# Altium PCB controller_V1.0.PcbDoc (part 3 of 8) (continued)
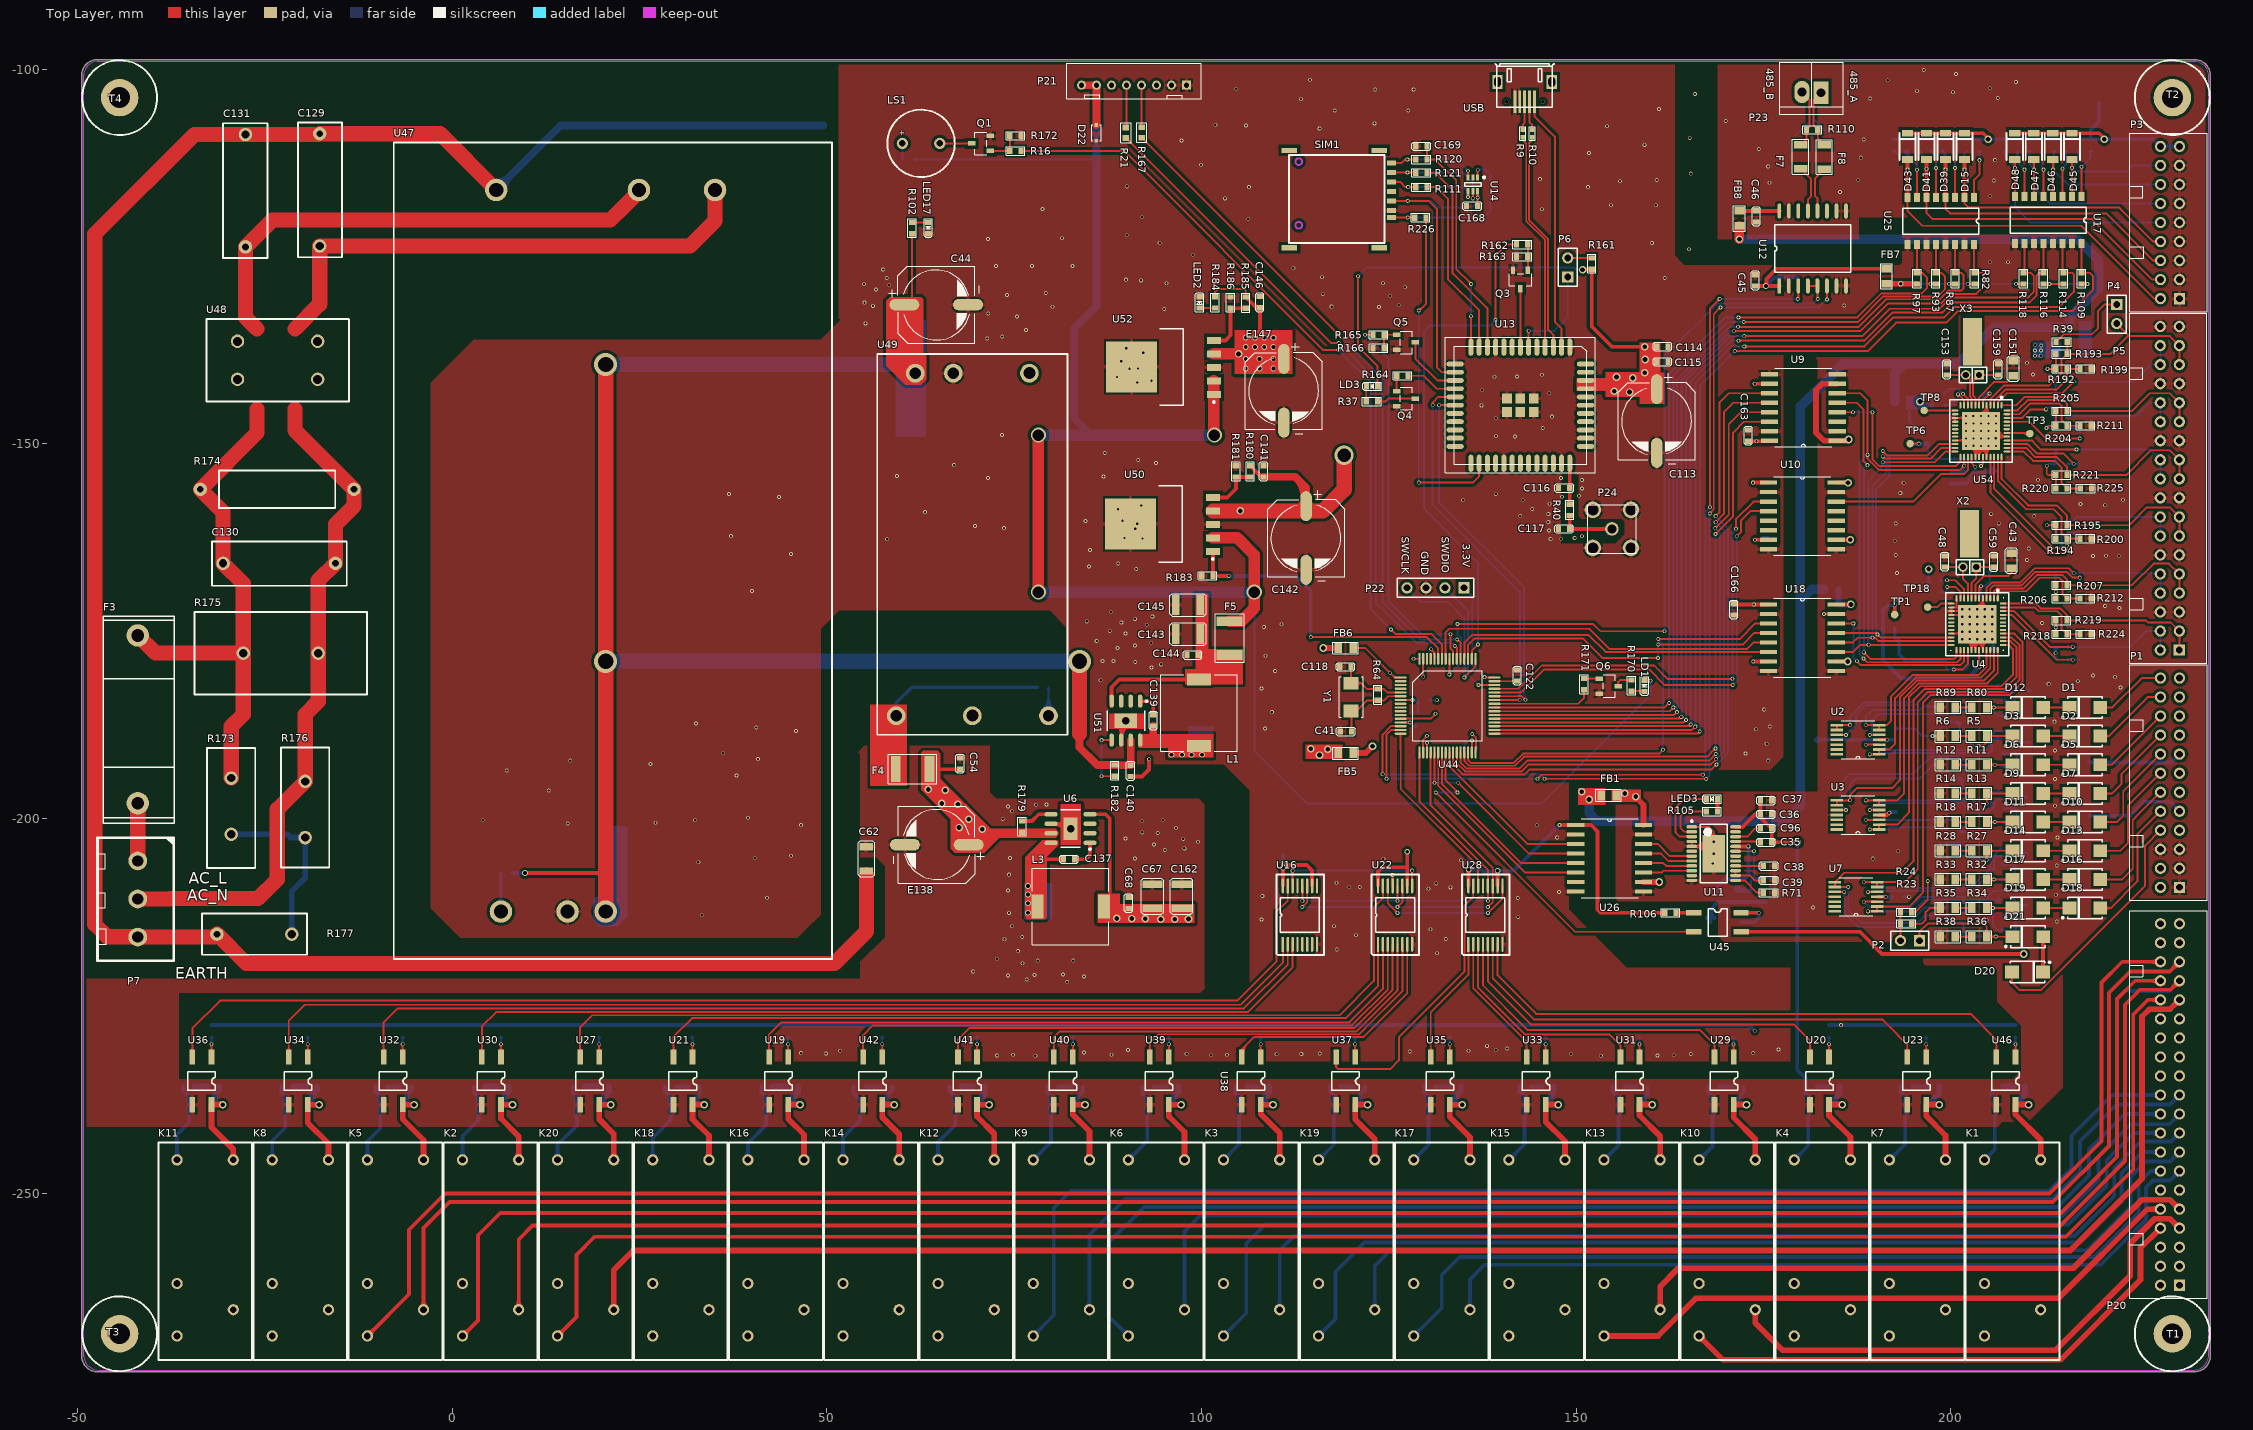
[diagram p0: Top Layer view]
## Nets (pads, with @x,y where several pads share a name; then routed paths per layer and width w, separated by ;. In a path a pad name is that pad's centre, name@x,y a point inside that pad or via, vN(x,y) a via of type N, cw(c..) or ccw(c..) an arc to the next point about the centre after c; other vN are vias at no path point) (continued)
  Top Layer w0.254: U6.9@81.887,-200.711 v7(82.522,-201.346) ; U11.5@165.38,-203.654 ccw(c165.212,-203.487) 165.449,-203.487 ccw(c165.686,-203.487) U11.5@165.518,-203.654 ; U11.4@165.38,-203.143 cw(c165.212,-203.31) 165.449,-203.31 cw(c165.686,-203.31) U11.4@165.518,-203.143 ; U11.4@165.449,-203.074 U11.5@165.449,-203.724 ; U11.1@165.449,-201.124 167.697,-201.124 168.374,-201.8 ; U11.5@165.981,-203.724 ccw(c165.981,-201.767) U11.25@167.503,-202.996 ; U11.5@166,-203.724 cw(c166,-205.727) U11.25@167.523,-204.426 ; U11.5@166.018,-203.793 cw(c166.186,-203.96) 166.186,-203.724 cw(c166.186,-203.487) U11.5@166.018,-203.654 ; U11.1@166.018,-201.193 cw(c166.186,-201.36) 166.186,-201.124 cw(c166.186,-200.887) U11.1@166.018,-201.054 ; 166.512,-203.724 ccw(c166.512,-202.196) U11.25@167.701,-203.155 ; 166.551,-203.724 cw(c166.551,-205.256) U11.25@167.716,-204.261 ; U11.25@167.306,-202.836 cw(c165.449,-201.338) U11.5@165.449,-203.724 ; U11.25@167.33,-204.591 ccw(c165.449,-206.198) U11.5@165.449,-203.724 ; U11.25@167.399,-203.724 U11.5@165.449,-203.724 ; U11.25@167.944,-202.395 ccw(c167.748,-201.8) 168.374,-201.8 ; U11.25@168.024,-202.636 ccw(c167.864,-202.152) 168.374,-202.152 ccw(c168.884,-202.152) U11.25@168.724,-202.636 ; v1(168.374,-204.699) 168.374,-201.8 ; U11.25@168.804,-202.395 cw(c169,-201.8) 168.374,-201.8 ; v1(183.083,-172.695) U18.15@184.732,-172.695 ; v1@183.173,-172.784 cw(c183.39,-173.001) 183.39,-172.695 cw(c183.39,-172.388) v1@183.173,-172.605 ; U18.15@183.748,-172.802 ccw(c183.487,-173.063) 183.487,-172.695 ccw(c183.487,-172.327) U18.15@183.748,-172.587 ; R23.1@194.818,-214.046 196.139,-214.046 196.647,-213.538 196.647,-212.496 197.188,-211.956 R35.1@198.625,-211.956 ; R23.1@194.976,-214.203 cw(c195.356,-214.584) 195.356,-214.046 cw(c195.356,-213.507) R23.1@194.976,-213.888 ; v1(197.588,-189) R6.1@198.625,-189 ; v1@197.678,-189.09 cw(c197.894,-189.307) 197.894,-189 cw(c197.894,-188.694) v1@197.678,-188.91 ; R35.1@198.362,-212.219 ccw(c197.725,-212.856) 197.725,-211.956 ccw(c197.725,-211.055) R35.1@198.362,-211.692 ; R6.1@198.362,-189.264 ccw(c197.725,-189.901) 197.725,-189 ccw(c197.725,-188.1) R6.1@198.362,-188.737 ; U4.21@200.095,-175.316 202.295,-175.316 cw(c202.295,-174.613) U4.49@201.693,-174.977 ; 200.524,-175.316 ccw(c200.524,-174.045) U4.49@201.423,-174.944 ; 200.524,-172.816 cw(c200.524,-174.087) U4.49@201.423,-173.189 ; 200.524,-172.316 ccw(c200.524,-171.045) U4.49@201.423,-171.944 ; 200.524,-171.816 cw(c200.524,-173.087) U4.49@201.423,-172.189 ; U54.21@200.603,-149.535 202.803,-149.535 cw(c202.803,-148.832) U54.49@202.201,-149.196 ; U54.16@200.603,-147.035 U54.15@200.603,-146.535 U54.49@202.303,-146.535 ; 200.713,-175.316 cw(c200.713,-176.898) U4.49@201.832,-175.78 ; 200.713,-172.816 ccw(c200.713,-171.234) U4.49@201.832,-172.353 ; 200.795,-171.748 U4.12@200.795,-170.616 ; 201.032,-149.535 ccw(c201.032,-148.264) U54.49@201.931,-149.163 ; 201.032,-146.535 ccw(c201.032,-145.264) U54.49@201.931,-146.163 ; U4.49@201.137,-175.316 ccw(c201.137,-174.658) U4.49@201.602,-175.123 ; U4.49@201.137,-172.816 cw(c201.137,-173.474) U4.49@201.602,-173.009 ; U4.49@201.137,-172.316 ccw(c201.137,-171.658) U4.49@201.602,-172.123 ; U4.49@201.137,-171.816 cw(c201.137,-172.474) U4.49@201.602,-172.009 ; 201.221,-149.535 cw(c201.221,-151.117) U54.49@202.34,-149.999 ; U4.49@201.258,-175.239 ccw(c201.394,-175.157) U4.49@201.394,-175.316 ; U4.49@201.258,-172.893 cw(c201.394,-172.975) U4.49@201.394,-172.816 ; U4.49@201.295,-171.816 U4.14@200.095,-171.816 U4.15@200.095,-172.316 ; U4.49@201.476,-175.108 ccw(c201.845,-174.885) U4.49@201.845,-175.316 ; U4.49@201.476,-173.024 cw(c201.845,-173.247) U4.49@201.845,-172.816 ; U4.49@201.524,-175.316 ccw(c201.524,-174.045) U4.49@202.423,-174.944 ; U4.49@201.524,-172.816 cw(c201.524,-174.087) U4.49@202.423,-173.189 ; U54.49@201.645,-149.535 ccw(c201.645,-148.877) U54.49@202.11,-149.342 ; U54.49@201.645,-146.535 ccw(c201.645,-145.877) U54.49@202.11,-146.342 ; U4.49@201.693,-173.156 cw(c202.295,-173.52) 202.295,-172.816 U4.16@200.095,-172.816 U4.15@200.095,-172.316 ; U4.49@201.75,-175.316 ccw(c201.75,-175.271) U4.49@201.782,-175.303 ; U4.49@201.75,-172.816 cw(c201.75,-172.861) U4.49@201.782,-172.829 ; U4.49@201.75,-172.316 ccw(c201.75,-172.271) U4.49@201.782,-172.303 ; U54.49@201.766,-149.458 ccw(c201.902,-149.376) U54.49@201.902,-149.535 ; U4.49@201.795,-172.316 U4.15@200.095,-172.316 ; U54.49@201.984,-149.327 ccw(c202.353,-149.104) U54.49@202.353,-149.535 ; U4.49@202.011,-175.942 cw(c200.657,-177.597) 202.795,-177.597 cw(c203.923,-177.597) U4.49@203.803,-176.475 ; U54.49@202.032,-149.535 ccw(c202.032,-148.264) U54.49@202.931,-149.163 ; U4.49@202.137,-175.316 ccw(c202.137,-174.658) U4.49@202.602,-175.123 ; U4.49@202.137,-172.816 cw(c202.137,-173.474) U4.49@202.602,-173.009 ; U4.49@202.172,-175.745 cw(c201.095,-177.061) 202.795,-177.061 ; U54.49@202.258,-149.535 ccw(c202.258,-149.49) U54.49@202.29,-149.522 ; U54.49@202.258,-146.535 ccw(c202.258,-146.49) U54.49@202.29,-146.522 ; U4.49@202.332,-175.548 cw(c201.534,-176.525) U4.49@202.795,-176.525 ; U4.49@202.423,-176.159 cw(c201.524,-177.057) 202.795,-177.057 ; U4.49@202.423,-175.914 ccw(c201.524,-175.015) U4.49@202.795,-175.015 ; U4.49@202.423,-175.189 cw(c201.524,-176.087) U4.49@202.795,-176.087 ; U4.49@202.493,-176.249 cw(c201.879,-177.525) 203.295,-177.525 cw(c204.447,-177.525) U4.49@204.156,-176.411 ; U54.49@202.519,-150.161 cw(c201.165,-151.816) 203.303,-151.816 cw(c204.431,-151.816) U54.49@204.311,-150.694 ; U4.49@202.545,-174.893 ccw(c202.545,-174.476) 202.84,-174.771 ccw(c203.136,-175.066) U4.49@202.718,-175.066 ; U4.49@202.602,-176.093 ccw(c202.137,-175.628) U4.49@202.795,-175.628 ; U4.49@202.602,-175.979 cw(c202.137,-176.444) U4.49@202.795,-176.444 ; U4.49@202.602,-175.009 cw(c202.137,-175.474) U4.49@202.795,-175.474 ; U4.49@202.604,-176.02 cw(c202.073,-177.121) U4.30@203.295,-177.121 ; U54.49@202.645,-149.535 ccw(c202.645,-148.877) U54.49@203.11,-149.342 ; U54.49@202.68,-149.964 cw(c201.603,-151.28) 203.303,-151.28 ; U4.49@202.714,-175.791 cw(c202.268,-176.716) 203.295,-176.716 ; U4.49@202.782,-176.273 ccw(c202.75,-176.241) U4.49@202.795,-176.241 ; U4.49@202.782,-175.799 cw(c202.75,-175.831) U4.49@202.795,-175.831 ; U4.49@202.782,-174.829 cw(c202.75,-174.861) U4.49@202.795,-174.861 ; U4.29@202.795,-177.516 202.795,-174.816 v3(203.545,-174.066) ; U4.29@202.795,-177.314 cw(c203.892,-177.314) U4.49@203.776,-176.223 ; 202.795,-177.031 cw(c203.862,-177.031) U4.49@203.749,-175.97 ; 202.795,-176.749 cw(c203.832,-176.749) U4.49@203.722,-175.718 ; U54.49@202.84,-149.767 cw(c202.042,-150.744) U54.49@203.303,-150.744 ; U54.49@202.931,-150.378 cw(c202.032,-151.276) 203.303,-151.276 ; U54.49@202.931,-150.133 ccw(c202.032,-149.234) U54.49@203.303,-149.234 ; U54.49@202.931,-149.408 cw(c202.032,-150.306) U54.49@203.303,-150.306 ; U54.49@203.001,-150.468 cw(c202.387,-151.744) 203.803,-151.744 cw(c204.955,-151.744) U54.49@204.664,-150.63 ; U54.49@203.11,-150.312 ccw(c202.645,-149.847) U54.49@203.303,-149.847 ; U54.49@203.11,-150.198 cw(c202.645,-150.663) U54.49@203.303,-150.663 ; U54.49@203.11,-149.228 cw(c202.645,-149.693) U54.49@203.303,-149.693 ; U54.49@203.112,-150.239 cw(c202.581,-151.34) U54.30@203.803,-151.34 ; U54.49@203.222,-150.01 cw(c202.776,-150.935) 203.803,-150.935 ; U4.49@203.287,-176.475 cw(c203.167,-177.597) 204.295,-177.597 cw(c206.433,-177.597) U4.49@205.079,-175.942 ; U54.49@203.29,-150.492 ccw(c203.258,-150.46) U54.49@203.303,-150.46 ; U54.49@203.29,-150.018 cw(c203.258,-150.05) U54.49@203.303,-150.05 ; U54.49@203.29,-149.048 cw(c203.258,-149.08) U54.49@203.303,-149.08 ; U4.30@203.295,-177.516 203.295,-174.316 ccw(c203.998,-174.316) U4.49@203.634,-174.918 ; U4.30@203.295,-177.196 cw(c204.361,-177.196) U4.49@204.092,-176.165 ; 203.295,-177.087 cw(c204.566,-177.087) U4.49@203.667,-176.189 ; 203.295,-176.868 cw(c204.275,-176.868) U4.49@204.028,-175.919 ; U4.49@203.295,-176.474 cw(c203.953,-176.474) U4.49@203.488,-176.009 ; U4.49@203.295,-176.271 ccw(c203.34,-176.271) U4.49@203.308,-176.303 ; U4.49@203.295,-176.087 cw(c204.566,-176.087) U4.49@203.667,-175.189 ; U4.49@203.295,-175.861 cw(c203.34,-175.861) U4.49@203.308,-175.829 ; U4.49@203.295,-175.658 ccw(c203.953,-175.658) U4.49@203.488,-176.123 ; U4.49@203.295,-175.474 cw(c203.953,-175.474) U4.49@203.488,-175.009 ; U4.49@203.295,-175.217 ccw(c203.454,-175.217) U4.49@203.372,-175.353 ; U4.49@203.295,-175.087 cw(c204.566,-175.087) U4.49@203.667,-174.189 ; U4.49@203.295,-175.045 ccw(c204.566,-175.045) U4.49@203.667,-175.944 ; U4.49@203.295,-174.861 cw(c203.34,-174.861) U4.49@203.308,-174.829 ; U4.49@203.295,-174.767 ccw(c203.726,-174.767) U4.49@203.503,-175.136 ; U4.49@203.295,-174.474 cw(c203.953,-174.474) U4.49@203.488,-174.009 ; U54.29@203.303,-151.735 U54.49@203.303,-149.035 ; U54.29@203.303,-151.533 cw(c204.4,-151.533) U54.49@204.284,-150.442 ; 203.303,-151.25 cw(c204.37,-151.25) U54.49@204.257,-150.189 ; 203.303,-150.968 cw(c204.34,-150.968) U54.49@204.23,-149.937 ; U4.49@203.314,-176.223 cw(c203.198,-177.314) U4.32@204.295,-177.314 ; U4.49@203.341,-175.97 cw(c203.228,-177.031) 204.295,-177.031 ; U4.49@203.343,-171.652 ccw(c203.256,-170.616) U4.5@204.295,-170.616 ccw(c206.265,-170.616) U4.49@205.045,-172.164 ; U4.49@203.364,-171.905 ccw(c203.279,-170.892) U4.5@204.295,-170.892 ; U4.49@203.368,-175.718 cw(c203.258,-176.749) 204.295,-176.749 ; U4.49@203.372,-174.066 cw(c202.954,-174.066) 203.25,-174.362 cw(c203.545,-174.657) U4.49@203.545,-174.239 ; U4.49@203.385,-172.158 ccw(c203.302,-171.169) 204.295,-171.169 ; U4.49@203.406,-172.411 ccw(c203.325,-171.445) 204.295,-171.445 ; U54.49@203.795,-150.694 cw(c203.675,-151.816) 204.803,-151.816 cw(c206.941,-151.816) U54.49@205.587,-150.161 ; U54.30@203.803,-151.735 203.803,-148.535 ccw(c204.506,-148.535) U54.49@204.142,-149.137 ; U54.30@203.803,-151.415 cw(c204.869,-151.415) U54.49@204.6,-150.384 ; 203.803,-151.306 cw(c205.074,-151.306) U54.49@204.175,-150.408 ; 203.803,-151.087 cw(c204.783,-151.087) U54.49@204.536,-150.138 ; U54.49@203.803,-150.693 cw(c204.461,-150.693) U54.49@203.996,-150.228 ; U54.49@203.803,-150.49 ccw(c203.848,-150.49) U54.49@203.816,-150.522 ; U54.49@203.803,-150.306 cw(c205.074,-150.306) U54.49@204.175,-149.408 ; U54.49@203.803,-150.08 cw(c203.848,-150.08) U54.49@203.816,-150.048 ; U54.49@203.803,-149.877 ccw(c204.461,-149.877) U54.49@203.996,-150.342 ; U54.49@203.803,-149.693 cw(c204.461,-149.693) U54.49@203.996,-149.228 ; U54.49@203.803,-149.436 ccw(c203.962,-149.436) U54.49@203.88,-149.572 ; U54.49@203.803,-149.306 cw(c205.074,-149.306) U54.49@204.175,-148.408 ; U54.49@203.803,-149.264 ccw(c205.074,-149.264) U54.49@204.175,-150.163 ; U54.49@203.803,-149.08 cw(c203.848,-149.08) U54.49@203.816,-149.048 ; U54.49@203.803,-148.986 ccw(c204.234,-148.986) U54.49@204.011,-149.355 ; U54.49@203.803,-148.693 cw(c204.461,-148.693) U54.49@203.996,-148.228 ; U54.49@203.822,-150.442 cw(c203.706,-151.533) U54.32@204.803,-151.533 ; U54.49@203.849,-150.189 cw(c203.736,-151.25) 204.803,-151.25 ; U54.49@203.851,-145.871 ccw(c203.764,-144.835) U54.5@204.803,-144.835 ccw(c206.773,-144.835) U54.49@205.553,-146.383 ; U54.49@203.872,-146.124 ccw(c203.787,-145.111) U54.5@204.803,-145.111 ; U54.49@203.876,-149.937 cw(c203.766,-150.968) 204.803,-150.968 ; U54.49@203.893,-146.377 ccw(c203.81,-145.388) 204.803,-145.388 ; U54.49@203.914,-146.63 ccw(c203.833,-145.664) 204.803,-145.664 ; v3(204.053,-148.285) 204.803,-147.535 U54.5@204.803,-144.835 ; U54.49@204.053,-148.112 ccw(c204.053,-147.695) 204.348,-147.99 ccw(c204.644,-148.285) U54.49@204.226,-148.285 ; U4.32@204.295,-177.516 U4.49@204.295,-174.816 ; 204.295,-177.087 cw(c205.566,-177.087) U4.49@204.667,-176.189 ; 204.295,-177.061 cw(c205.995,-177.061) U4.49@204.918,-175.745 ; U4.49@204.295,-176.525 cw(c205.556,-176.525) U4.49@204.758,-175.548 ; U4.49@204.295,-176.474 cw(c204.953,-176.474) U4.49@204.488,-176.009 ; U4.49@204.295,-176.271 ccw(c204.34,-176.271) U4.49@204.308,-176.303 ; U4.49@204.295,-176.087 cw(c205.566,-176.087) U4.49@204.667,-175.189 ; U4.49@204.295,-175.861 cw(c204.34,-175.861) U4.49@204.308,-175.829 ; U4.49@204.295,-175.658 ccw(c204.953,-175.658) U4.49@204.488,-176.123 ; U4.49@204.295,-175.474 cw(c204.953,-175.474) U4.49@204.488,-175.009 ; U4.49@204.295,-175.045 ccw(c205.566,-175.045) U4.49@204.667,-175.944 ; U4.49@204.295,-174.861 cw(c204.34,-174.861) U4.49@204.308,-174.829 ; U4.49@204.295,-173.316 U4.5@204.295,-170.616 ; U4.49@204.295,-173.271 ccw(c204.34,-173.271) U4.49@204.308,-173.303 ; U4.49@204.295,-173.087 cw(c205.566,-173.087) U4.49@204.667,-172.189 ; U4.49@204.295,-172.658 ccw(c204.953,-172.658) U4.49@204.488,-173.123 ; U4.49@204.295,-172.474 cw(c204.953,-172.474) U4.49@204.488,-172.009 ; U4.49@204.295,-172.271 ccw(c204.34,-172.271) U4.49@204.308,-172.303 ; U4.49@204.295,-172.045 ccw(c205.566,-172.045) U4.49@204.667,-172.944 ; U4.49@204.295,-171.861 cw(c204.34,-171.861) U4.49@204.308,-171.829 ; U4.49@204.295,-171.658 ccw(c204.953,-171.658) U4.49@204.488,-172.123 ; 204.295,-171.14 ccw(c205.852,-171.14) U4.49@204.888,-172.363 ; 204.295,-171.045 ccw(c205.566,-171.045) U4.49@204.667,-171.944 ; U54.32@204.803,-151.735 204.803,-149.285 ccw(c206.023,-149.285) U54.49@205.173,-150.161 ; 204.803,-151.306 cw(c206.074,-151.306) U54.49@205.175,-150.408 ; 204.803,-151.28 cw(c206.503,-151.28) U54.49@205.426,-149.964 ; U54.49@204.803,-150.744 cw(c206.064,-150.744) U54.49@205.266,-149.767 ; U54.49@204.803,-150.693 cw(c205.461,-150.693) U54.49@204.996,-150.228 ; U54.49@204.803,-150.486 ccw(c204.858,-150.486) U54.49@204.82,-150.526 ; U54.49@204.803,-150.306 cw(c206.074,-150.306) 205.175,-149.408 cw(c206.074,-150.306) U54.49@206.074,-149.035 ; U54.49@204.803,-150.08 cw(c204.848,-150.08) U54.49@204.816,-150.048 ; U54.49@204.803,-149.886 ccw(c205.441,-149.886) U54.49@204.997,-150.343 ; U54.49@204.803,-149.693 cw(c205.461,-149.693) 204.996,-149.228 cw(c205.461,-149.693) U54.49@205.461,-149.035 ; U54.49@204.803,-149.035 U54.41@207.503,-149.035 ; U54.49@204.803,-147.49 ccw(c204.848,-147.49) U54.49@204.816,-147.522 ; U54.49@204.803,-147.306 cw(c206.074,-147.306) U54.49@205.175,-146.408 ; U54.49@204.803,-146.877 ccw(c205.461,-146.877) U54.49@204.996,-147.342 ; U54.49@204.803,-146.693 cw(c205.461,-146.693) U54.49@204.996,-146.228 ; U54.49@204.803,-146.49 ccw(c204.848,-146.49) U54.49@204.816,-146.522 ; U54.49@204.803,-146.264 ccw(c206.074,-146.264) U54.49@205.175,-147.163 ; U54.49@204.803,-146.08 cw(c204.848,-146.08) U54.49@204.816,-146.048 ; U54.49@204.803,-145.877 ccw(c205.461,-145.877) U54.49@204.996,-146.342 ; 204.803,-145.359 ccw(c206.36,-145.359) U54.49@205.396,-146.582 ; 204.803,-145.264 ccw(c206.074,-145.264) U54.49@205.175,-146.163 ; U54.49@204.816,-149.048 cw(c204.848,-149.08) U54.49@204.848,-149.035 ; U54.49@204.88,-147.285 cw(c204.462,-147.285) 204.758,-147.581 cw(c205.053,-147.876) U54.49@205.053,-147.458 ; U54.49@205.074,-149.035 cw(c205.074,-150.204) U54.49@205.901,-149.378 ; U54.49@205.687,-149.035 cw(c205.687,-149.591) U54.49@206.08,-149.198 ; U54.49@205.708,-148.147 ccw(c206.674,-148.066) 206.674,-149.035 ; U54.49@205.756,-149.628 cw(c206.979,-150.593) 206.979,-149.035 ; U54.49@205.956,-149.786 cw(c207.503,-151.006) U54.41@207.503,-149.035 ; U54.49@205.961,-148.125 ccw(c206.951,-148.042) 206.951,-149.035 ; U54.49@205.966,-149.198 cw(c206.359,-149.591) U54.49@206.359,-149.035 ; U54.49@206.145,-149.378 cw(c206.972,-150.204) 206.972,-149.035 ; U54.49@206.214,-148.104 ccw(c207.227,-148.019) U54.41@207.227,-149.035 ; U54.49@206.468,-148.083 ccw(c207.503,-147.996) U54.41@207.503,-149.035
  Top Layer w0.508: U6.6@80.637,-200.711 cw(c80.637,-202.681) U6.9@82.03,-201.288 ; 81.047,-200.711 ccw(c81.047,-199.321) U6.9@82.03,-200.304 ; 81.09,-200.711 cw(c81.09,-202.68) U6.9@82.531,-201.338 ; U6.9@81.887,-200.711 U6.6@79.922,-200.711 cw(c79.922,-203.769) U6.9@82.159,-201.684
  Bottom Layer w0.254: C49.1@192.507,-187.985 195.224,-187.985 196.239,-189 v1(197.588,-189) ; C49.1@192.739,-188.143 cw(c193.12,-188.524) 193.12,-187.985 cw(c193.12,-187.447) C49.1@192.739,-187.828 ; C58.1@193.599,-210.464 v1(194.462,-210.464) ; C58.1@193.756,-210.622 cw(c194.137,-211.003) 194.137,-210.464 cw(c194.137,-209.926) C58.1@193.756,-210.307 ; v1@194.373,-210.554 ccw(c194.156,-210.771) 194.156,-210.464 ccw(c194.156,-210.158) v1@194.373,-210.375 ; v1@197.498,-189.09 ccw(c197.281,-189.307) 197.281,-189 ccw(c197.281,-188.694) v1@197.498,-188.91 ; C34.1@203.479,-213.97 204.495,-213.97 v1@204.902,-213.563 ; C34.1@203.712,-214.127 cw(c204.093,-214.508) 204.093,-213.97 cw(c204.093,-213.431) C34.1@203.712,-213.812 ; 204.546,-213.919 ccw(c204.191,-213.563) v1@204.694,-213.563 ; E14.2@205.255,-177.427 ccw(c204.171,-176.343) 205.704,-176.343 ccw(c207.237,-176.343) E14.2@206.153,-177.427 ; v3@205.423,-176.189 cw(c204.743,-176.868) 205.704,-176.868 ; E14.2@205.435,-177.607 ccw(c204.784,-176.956) 205.704,-176.956 ccw(c206.624,-176.956) E14.2@205.973,-177.607 ; v3(205.545,-176.066) 205.704,-176.225 E14.2@205.704,-178.384
  other v1: 82.093,-221.844 76.683,-221.488 84.328,-221.082 74.168,-220.955 77.699,-220.878 81.509,-220.828 69.52,-220.421 76.098,-219.329 78.156,-218.973 82.88,-218.973 72.669,-218.719 75.489,-217.703 73.711,-216.129 76.073,-215.824 74.727,-214.376 214.173,-213.741 204.821,-213.563 74.32,-212.598 181.635,-211.887 214.046,-210.185 74.168,-209.601 74.295,-207.493 214.173,-206.273 168.25,-205.994 189.611,-205.359 91.135,-205.334 74.447,-205.283 193.015,-204.368 95.098,-204.216 97.714,-203.987 93.65,-203.479 99.543,-203.098 168.374,-203.098 97.561,-202.717 89.865,-202.667 214.274,-202.54 94.158,-201.93 92.1,-201.854 96.596,-201.244 92.1,-200.381 94.818,-200.228 73.482,-200.05 74.727,-199.034 74.168,-198.399 213.944,-198.298 77.927,-198.171 79.324,-198.145 213.944,-194.716 213.944,-190.932 213.868,-187.071 222.682,-182.524 213.081,-182.067 216.992,-181.686 221.945,-181.077 218.999,-180.924 212.217,-173.914 222.555,-171.907 220.624,-171.628 192.837,-167.234 210.21,-165.481 218.999,-164.973 220.726,-164.922 222.453,-164.922 192.684,-164.821 210.439,-163.957 192.532,-162.916 192.684,-160.63 206.426,-160.604 211.176,-159.639 205.41,-159.334 220.624,-158.191 217.348,-158.013 223.012,-157.455 193.294,-156.566 193.726,-155.194 211.658,-154.788 210.998,-140.741 210.185,-139.167 205.283,-116.942 185.242,-116.383 175.819,-115.138 205.765,-114.833 187.681,-114.808 175.641,-112.979 205.943,-112.116 188.011,-111.785 174.396,-110.642 188.392,-109.372 169.977,-106.909 189.281,-103.886 206.299,-103.835 200.304,-103.048 195.504,-102.921 205.232,-102.514 208.712,-101.702 191.618,-101.448 200.711,-100.635 196.418,-100.101
  other v3: 201.545,-176.066 203.545,-176.066 204.545,-176.066 202.545,-176.036 201.545,-175.066 202.545,-175.066 203.545,-175.066 204.545,-175.066 205.515,-175.036 201.545,-174.066 202.545,-174.066 204.545,-174.066 205.545,-174.066 201.545,-173.066 202.545,-173.066 203.545,-173.066 204.545,-173.066 205.545,-173.066 201.545,-172.066 202.515,-172.066 203.545,-172.066 204.545,-172.066 205.545,-172.066 202.053,-150.285 204.053,-150.285 205.053,-150.285 206.053,-150.285 203.053,-150.255 202.053,-149.285 203.053,-149.285 204.053,-149.285 205.053,-149.285 206.023,-149.255 202.053,-148.285 203.053,-148.285 205.053,-148.285 206.053,-148.285 202.053,-147.285 203.053,-147.285 204.053,-147.285 205.053,-147.285 206.053,-147.285 202.053,-146.285 203.023,-146.285 204.053,-146.285 205.053,-146.285 206.053,-146.285
AI0: D1.1 P1.24 | length 9.7
  Top Layer w0.254: D1.1@219.979,-185.174 221.607,-185.174 225.527,-181.254 P1.24@228.006,-181.254
AI1: D2.1 P1.22 | length 11.1
  Top Layer w0.254: D2.1@219.979,-189 221.083,-189 ; D2.1@220.735,-189.245 cw(c221.083,-189.37) 221.083,-189 ; D2.1@220.735,-188.756 ccw(c221.083,-188.631) 221.083,-189 ; P1.22@228.006,-183.794 226.289,-183.794 221.083,-189
AI2: D5.1 P1.20 | length 10.7
  Top Layer w0.254: D5.1@219.979,-192.826 221.515,-192.826 P1.20@228.006,-186.334
AI3: D7.1 P1.18 | length 12
  Top Layer w0.254: D7.1@219.979,-196.652 221.559,-196.652 222.783,-195.428 222.783,-194.097 P1.18@228.006,-188.874
AI4: D10.1 P1.16 | length 13.7
  Top Layer w0.254: D10.1@219.979,-200.478 222.178,-200.478 223.037,-199.619 223.037,-196.383 P1.16@228.006,-191.414
AI5: D13.1 P1.14 | length 15.3
  Top Layer w0.254: D13.1@219.979,-204.304 222.67,-204.304 223.672,-203.302 223.672,-198.288 P1.14@228.006,-193.954
AI6: D16.1 P1.12 | length 16.7
  Top Layer w0.254: D16.1@219.979,-208.13 222.908,-208.13 224.307,-206.731 224.307,-200.193 224.688,-199.812 224.849,-199.652 P1.12@228.006,-196.494
AI7: D18.1 P1.10 | length 19.8
  Top Layer w0.254: D18.1@219.979,-211.956 221.368,-211.956 ; D18.1@220.451,-212.207 cw(c220.907,-212.496) 220.907,-211.956 cw(c220.907,-211.415) D18.1@220.451,-211.705 ; D18.1@220.665,-212.343 cw(c221.368,-212.788) 221.368,-211.956 ; D18.1@220.665,-211.569 ccw(c221.368,-211.123) 221.368,-211.956 ; P1.10@228.006,-199.034 224.942,-202.098 224.942,-208.382 221.368,-211.956
AI8: D20.1 P1.8 | length 33.6
  Top Layer w0.254: D20.1@208.211,-220.497 208.211,-221.902 209.22,-222.91 212.032,-222.91 225.958,-208.984 225.958,-203.622 P1.8@228.006,-201.574
AO_0: P1.4 U45.3 | length 63.8
  Top Layer w0.508: U45.3@172.057,-215.113 187.884,-215.113 190.856,-218.084 v2(209.753,-218.084) ; v2@209.574,-218.264 ccw(c209.14,-218.698) 209.14,-218.084 ccw(c209.14,-217.471) v2@209.574,-217.905
  GND w0.508: v2(209.753,-218.084) 215.214,-218.084 226.644,-206.654 P1.4@228.006,-206.654 ; v2@209.933,-218.264 cw(c210.366,-218.698) 210.366,-218.084 cw(c210.366,-217.471) v2@209.933,-217.905
AO_BOOST: Q11.3 U11.20 | length 11.3
  Top Layer w0.508: U11.20@171.299,-203.724 v1(172.999,-203.724)
  Bottom Layer w0.508: Q11.3@168.922,-210.144 168.922,-209.03 169.824,-208.128 172.364,-208.128 172.999,-207.493 v1(172.999,-203.724)
AO_IOUT: C40.2 Q11.1 R72.1 U11.19 | length 20.9
  Top Layer w0.254: U11.19@171.299,-204.374 v1(173.756,-204.374) ; U11.19@171.868,-204.443 cw(c172.036,-204.61) 172.036,-204.374 cw(c172.036,-204.137) U11.19@171.868,-204.304 ; v1@173.666,-204.463 ccw(c173.45,-204.68) 173.45,-204.374 ccw(c173.45,-204.067) v1@173.666,-204.284
  Bottom Layer w0.254: R72.1@173.169,-209.518 ccw(c172.789,-209.137) 173.327,-209.137 ccw(c173.865,-209.137) R72.1@173.485,-209.518 ; R72.1@173.327,-209.676 173.327,-208.359 173.756,-207.93 ; v1@173.666,-204.463 cw(c173.45,-204.68) 173.756,-204.68 cw(c174.063,-204.68) v1@173.846,-204.463 ; v1(173.756,-204.374) 173.756,-207.93 ; C40.2@177.36,-209.621 ccw(c176.98,-209.24) 177.518,-209.24 ccw(c178.056,-209.24) C40.2@177.676,-209.621 ; C40.2@177.518,-209.779 177.518,-208.506 176.942,-207.93 173.756,-207.93
  Bottom Layer w0.508: 171.295,-209.47 ccw(c171.791,-208.975) 171.791,-209.676 ; Q11.1@171.422,-209.144 171.954,-209.676 R72.1@173.327,-209.676 ; Q11.1@171.655,-209.111 ccw(c173.017,-207.748) R72.1@173.017,-209.676 ; Q11.1@171.668,-209.144 ccw(c172.262,-209.144) 171.842,-209.564
DI_0: C108.2 D15.1 P3.8 U25.2 | length 39.9
  Top Layer w0.254: U25.2@201.677,-117.504 cw(c201.367,-117.876) 201.851,-117.876 ; U25.2@201.851,-117.094 201.851,-117.876 ; U25.2@202.026,-117.504 ccw(c202.335,-117.876) 201.851,-117.876 ; P3.8@227.448,-123.243 ccw(c227.051,-123.423) 227.051,-122.987 ; P3.8@227.448,-122.73 cw(c227.051,-122.551) 227.051,-122.987 ; P3.8@228.016,-122.987 227.051,-122.987 ; 201.851,-117.876 202.441,-118.466 222.529,-118.466 227.051,-122.987
  Top Layer w0.508: D15.1@201.715,-112.175 cw(c201.381,-112.51) 201.854,-112.51 cw(c202.327,-112.51) D15.1@201.992,-112.175 ; U25.2@201.854,-117.091 D15.1@201.854,-112.037
  Bottom Layer w0.254: v1@201.764,-113.296 ccw(c201.547,-113.079) 201.854,-113.079 ccw(c202.16,-113.079) v1@201.944,-113.296 ; v1(201.854,-113.386) 201.854,-111.166 C108.2@202.199,-110.822
DI_1: C56.2 D39.1 P3.6 U25.4 | length 46.2
  Top Layer w0.254: U25.4@199.118,-117.487 cw(c198.652,-117.953) 199.311,-117.953 cw(c199.97,-117.953) U25.4@199.504,-117.487 ; U25.4@199.311,-117.094 199.311,-118.615 199.923,-119.228 220.751,-119.228 227.051,-125.527 ; P3.6@227.448,-125.783 ccw(c227.051,-125.963) 227.051,-125.527 ; P3.6@227.448,-125.27 cw(c227.051,-125.091) 227.051,-125.527 ; P3.6@228.016,-125.527 227.051,-125.527
  Top Layer w0.508: D39.1@199.175,-112.175 cw(c198.841,-112.51) 199.314,-112.51 cw(c199.787,-112.51) D39.1@199.452,-112.175 ; U25.4@199.314,-117.091 D39.1@199.314,-112.037
  Bottom Layer w0.254: C56.2@198.843,-110.979 cw(c197.706,-112.116) 199.314,-112.116 ; C56.2@198.926,-110.822 199.314,-111.21 v1(199.314,-113.386) ; C56.2@199.022,-110.8 cw(c198.319,-111.503) 199.314,-111.503 ; v1@199.224,-113.296 ccw(c199.007,-113.079) 199.314,-113.079 ccw(c199.62,-113.079) v1@199.404,-113.296
DI_2: C63.2 D41.1 P3.4 U25.6 | length 47.8
  Top Layer w0.254: U25.6@196.578,-117.487 cw(c196.112,-117.953) 196.771,-117.953 cw(c197.43,-117.953) U25.6@196.964,-117.487 ; U25.6@196.771,-117.094 196.771,-119.123 197.637,-119.99 218.846,-119.99 226.924,-128.067 P3.4@228.016,-128.067
  Top Layer w0.508: D41.1@196.635,-112.175 cw(c196.301,-112.51) 196.774,-112.51 cw(c197.247,-112.51) D41.1@196.912,-112.175 ; U25.6@196.774,-117.091 D41.1@196.774,-112.037
  Bottom Layer w0.254: C63.2@195.653,-110.822 195.653,-110.864 196.774,-111.985 v1(196.774,-113.259) ; C63.2@195.951,-110.822 ccw(c196.772,-110.822) 196.191,-111.403 ; v1@196.684,-113.169 ccw(c196.467,-112.952) 196.774,-112.952 ccw(c197.08,-112.952) v1@196.864,-113.169
DI_3: C65.2 D43.1 P3.2 U25.8 | length 51.9
  Top Layer w0.254: U25.8@194.038,-117.487 cw(c193.572,-117.953) 194.231,-117.953 cw(c194.89,-117.953) U25.8@194.424,-117.487 ; U25.8@194.231,-117.094 194.231,-118.869 196.24,-120.879 217.449,-120.879 227.178,-130.607 P3.2@228.016,-130.607
  Top Layer w0.508: D43.1@194.095,-112.175 cw(c193.761,-112.51) 194.234,-112.51 cw(c194.707,-112.51) D43.1@194.372,-112.175 ; U25.8@194.234,-117.091 D43.1@194.234,-112.037
  Bottom Layer w0.254: C65.2@192.38,-110.822 194.234,-112.676 v1(194.234,-113.386) ; C65.2@192.455,-111.045 cw(c192.455,-111.402) C65.2@192.707,-111.149 ; C65.2@192.678,-110.822 ccw(c193.397,-110.822) 192.888,-111.33 ; v1@194.144,-113.296 ccw(c193.927,-113.079) 194.234,-113.079 ccw(c194.54,-113.079) v1@194.324,-113.296
DI_4: C76.2 D45.1 P3.16 U17.2 | length 29.7
  Top Layer w0.254: D45.1@215.957,-112.265 cw(c215.366,-112.857) 216.202,-112.857 ; U17.2@216.009,-116.574 ccw(c215.543,-116.108) 216.202,-116.108 ccw(c216.861,-116.108) U17.2@216.395,-116.574 ; v1@216.112,-113.221 cw(c215.896,-113.438) 216.202,-113.438 cw(c216.509,-113.438) v1@216.292,-113.221 ; v1@216.112,-113.042 ccw(c215.896,-112.825) 216.202,-112.825 ccw(c216.509,-112.825) v1@216.292,-113.042 ; D45.1@216.186,-112.037 216.202,-112.053 v1(216.202,-113.132) U17.2@216.202,-116.967 ; 216.202,-112.776 cw(c216.925,-112.776) D45.1@216.414,-112.265
  Bottom Layer w0.254: v1@216.202,-113.259 cw(c216.202,-113.565) 216.419,-113.348 cw(c216.636,-113.132) 216.329,-113.132 cw(c216.636,-113.132) 216.419,-112.915 cw(c216.202,-112.698) v1@216.202,-113.005 ; C76.2@216.903,-110.979 cw(c216.523,-111.36) 217.061,-111.36 cw(c217.6,-111.36) C76.2@217.219,-110.979 ; C76.2@217.061,-110.822 217.061,-112.273 v1(216.202,-113.132) 216.71,-113.64 217.068,-113.64 ; 221.767,-113.64 217.068,-113.64 ; P3.16@228.016,-112.827 224.241,-112.827 223.428,-113.64 217.068,-113.64